# Altium PCB PiMX8MPIO_r0.1.PcbDoc (part 4 of 5)
Units mm, origin at the board's own origin, x right, y up, seen from the top; angles counter-clockwise.
Board outline 55 x 40 mm, 8 copper layers (L1 Top, L2 GND, L3 SIG, L4 GND, L5 (PWR), L6 SIG, L7 GND, L8 SIG), stack 1.624 mm thick; 131 components, 147 nets, 777 pads, 700 vias.
Unrouted connection lines stored in the file: 1.
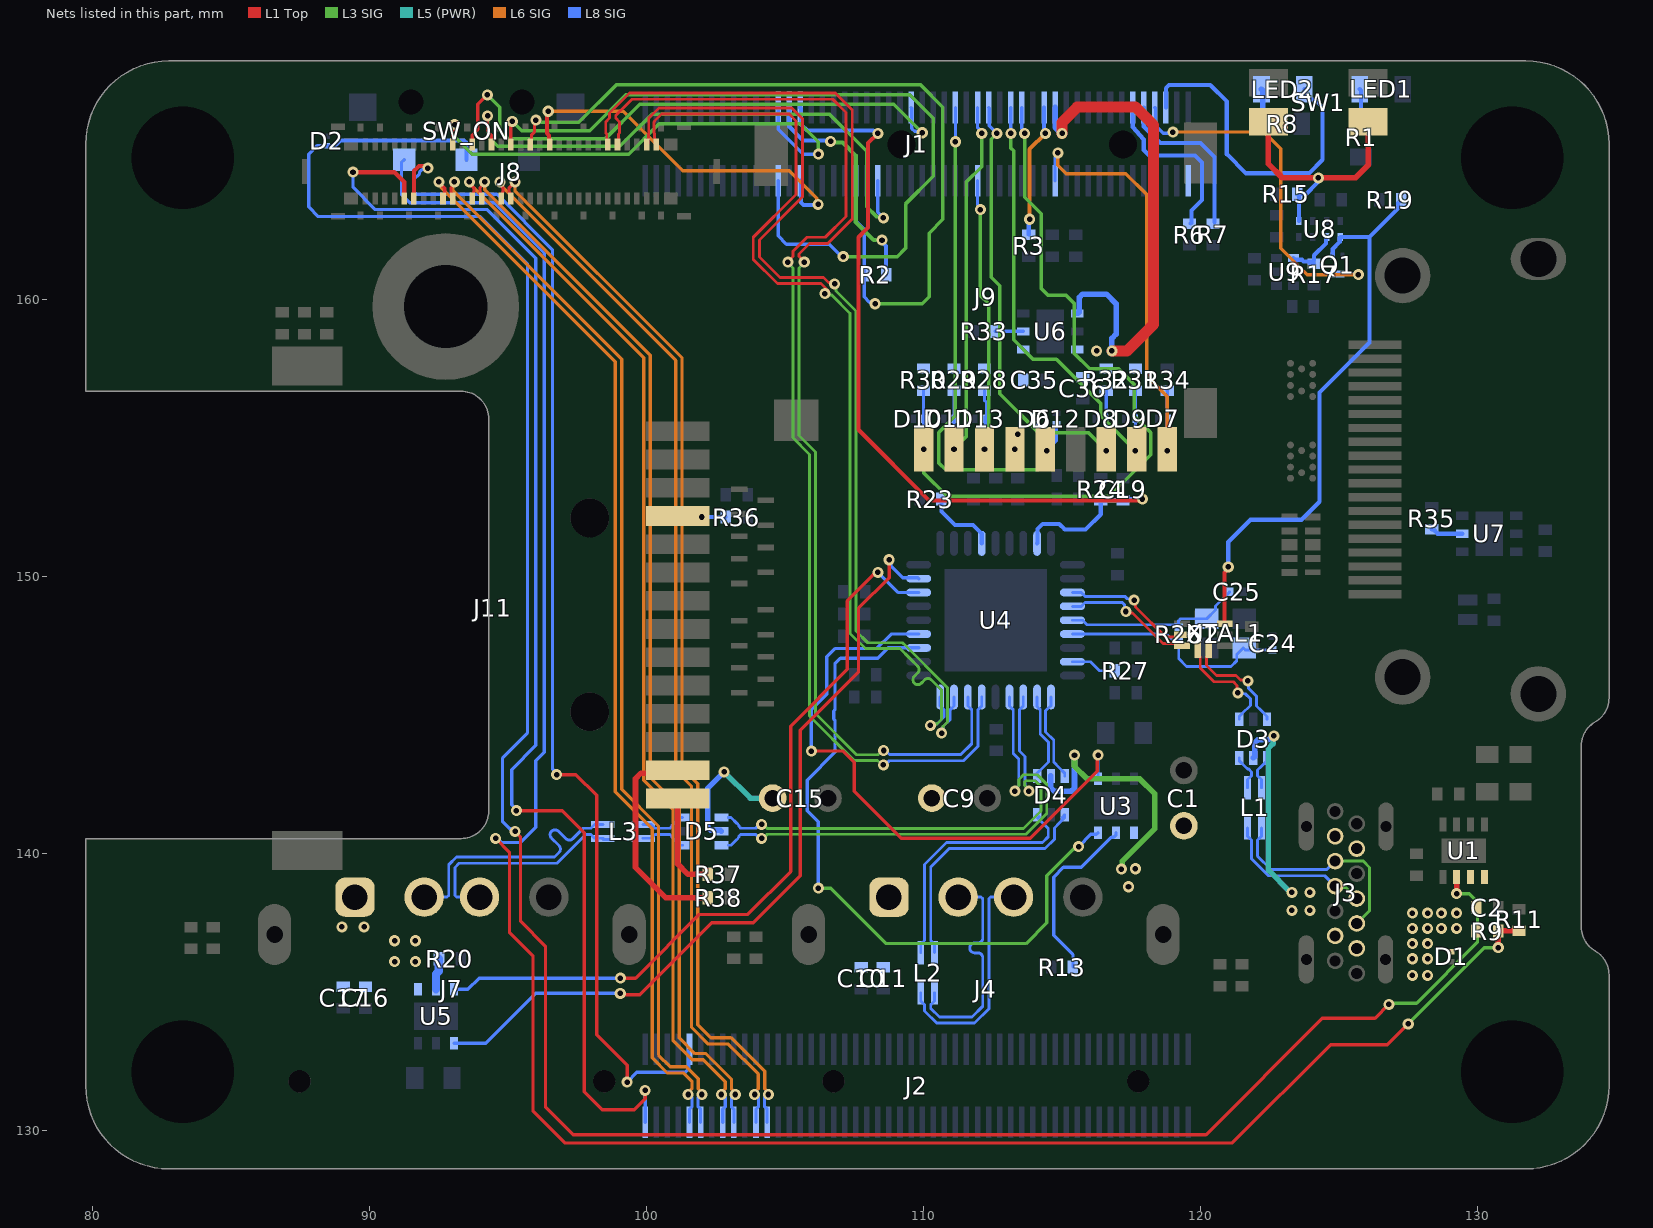
[diagram p10: the nets of this part, all layers, seen from the top]

## Via types
v1: diameter 0.4, hole 0.2, L1 Top to L8 SIG, tented both sides, 700 vias

## Nets (pads, with @x,y where several pads share a name; then routed paths per layer and width w, separated by ;. In a path a pad name is that pad's centre, name@x,y a point inside that pad or via, vN(x,y) a via of type N, cw(c..) or ccw(c..) an arc to the next point about the centre after c; other vN are vias at no path point) (continued)
NetD2_1: D2.1 SW_ON.2 U1.2 | length 88.6
  L1 Top w0.12: v1(95.25,140.796) 95.25,140.786 95.45,140.586 95.45,137.546 96.35,136.646 96.35,130.846 97.35,129.846 120.2,129.846 124.4,134.046 126.3,134.046 v1(126.8,134.546)
  L1 Top w0.2: v1(129.25,138.546) U1.2@129.25,139.146
  L3 SIG w0.12: v1(126.8,134.546) 126.85,134.596 127.8,134.596 130,136.796 130,138.246 129.7,138.546 v1(129.25,138.546)
  L8 SIG w0.12: D2.1@88.45,165.546 88.1,165.546 87.8,165.246 87.8,163.346 88.15,162.996 94,162.996 95.7,161.296 95.7,144.346 94.8,143.446 94.8,141.146 95.051,140.895 95.076,140.895 95.174,140.796 v1(95.25,140.796)
  L8 SIG w0.15: D2.1@88.45,165.546 88.75,165.546 88.95,165.746 93.412,165.746 93.5,165.659 SW_ON.2@93.5,165.046
NetJ1_89: J1.89 R6.2 | length 6.3
  L8 SIG w0.15: J1.89@117.55,166.932 117.551,166.437 117.551,166.223 117.95,165.779 117.95,165.396 118.15,165.196 119.8,165.196 120.05,164.946 120.05,163.596 119.672,163.219 119.672,162.764 R6.2@119.65,162.741
NetJ1_91: J1.91 R7.2 | length 6
  L8 SIG w0.15: J1.91@117.95,166.932 117.951,166.931 117.951,166.245 118.55,165.646 120,165.646 120.5,165.146 R7.2@120.5,162.791
NetJ11_1: J11.1 R37.1 | length 4.4
  L1 Top w0.2: J11.1@101.8,141.727 101.545,141.982 J11.1@101.13,141.982 101.1,141.952 101.1,139.646 101.5,139.246 R37.1@102.205,139.246
NetJ11_2: J11.2 R38.1 | length 7.9
  L1 Top w0.2: J11.2@101.13,143.002 101.026,142.899 99.802,142.899 99.6,142.696 99.6,139.496 100.7,138.396 R38.1@102.205,138.396
NetJ11_11: J11.11 R36.1 | length 0.9
  L8 SIG w0.15: v1(102,152.146) R36.1@102.855,152.146
NetLED1_2: LED1.2 R1.2 | length 1.2
  L8 SIG w0.15: LED1.2@125.75,167.596 125.8,167.546 R1.2@125.8,166.396
NetLED2_2: LED2.2 R8.2 | length 1.1
  L8 SIG w0.2: LED2.2@122.2,167.596 122.25,167.546 R8.2@122.25,166.496
NetR9_1: R9.1 R11.2 SW_ON.1 | length 80
  L1 Top w0.12: v1(94.55,140.546) 95.05,140.046 95.05,137.146 95.9,136.296 95.9,130.696 97.05,129.546 121.15,129.546 124.7,133.096 126.75,133.096 v1(127.5,133.846)
  L1 Top w0.2: v1@130.75,136.646 130.745,136.651 R9.1@130.745,137.196 130.75,137.201 R11.2@131.5,137.201
  L3 SIG w0.12: v1(94.55,140.546) v1@94.55,140.622 ; v1(127.5,133.846) 130.25,136.596 v1(130.75,136.596)
  L8 SIG w0.12: SW_ON.1@91.25,165.046 91.15,164.946 91.15,163.796 91.45,163.496 94.5,163.496 96.3,161.696 96.3,143.646 96,143.346 96,140.946 95.45,140.396 94.76,140.396 94.61,140.546 v1(94.55,140.546)
NetR13_2: R13.2 U3.2 | length 6.5
  L8 SIG w0.12: R13.2@115.395,135.896 115.395,136.351 114.7,137.046 114.7,139.146 115.05,139.496 115.7,139.496 116.785,140.581 116.86,140.581 116.95,140.671 U3.2@116.95,140.746
NetR17_2: R17.2 U8.6 U9.4 | length 2
  L8 SIG w0.15: U9.4@123.35,161.496 123.409,161.437 123.659,161.437 123.722,161.374 124.078,161.374 124.1,161.396 124.1,161.596 124.525,162.021 124.525,162.231 U8.6@124.55,162.256 ; R17.2@123.955,161.296 R17.2@124.1,161.296
NetR20_2: R20.2 U5.2 | length 1.1
  L8 SIG w0.3: U5.2@92.4,135.096 92.4,135.646 92.494,135.741 92.494,136.186 R20.2@92.505,136.196
NetR33_2: R33.2 U6.2 | length 1
  L8 SIG w0.123: R33.2@112.595,158.846 U6.2@113.6,158.846
NetR35_2: R35.2 U7.2 | length 1.2
  L8 SIG w0.158: R35.2@128.35,151.701 128.4,151.701 128.555,151.546 U7.2@129.45,151.546
nEXTRST: J1.100
PCIE_CLK_N: J2.12 J8.43 | length 38.7
  L1 Top w0.114: J8.43@93,163.646 92.957,163.689 92.957,163.861 92.937,163.881 92.937,164.046 93.06,164.169 v1(93.06,164.246)
  L6 SIG w0.118: v1@93.06,164.247 93.008,164.194 93.008,163.938 99.1,157.846 99.1,144.546 99.1,142.596 99.1,142.319 100.428,140.991 100.428,132.718 100.85,132.296 101.433,132.296 101.864,131.865 101.864,131.507 102,131.371 v1(102,131.296)
  L8 SIG w0.114: v1@101.862,131.196 101.862,130.85 101.95,130.762 J2.12@101.95,130.292
PCIE_CLK_P: J2.10 J8.45 | length 38.8
  L1 Top w0.114: v1(92.5,164.246) 92.5,164.231 92.713,164.018 92.713,163.881 92.693,163.861 92.693,163.689 J8.45@92.65,163.646
  L6 SIG w0.118: v1(92.5,164.246) 92.5,164.17 92.587,164.083 92.587,164.037 98.872,157.752 98.872,142.224 100.2,140.896 100.2,132.624 100.756,132.068 101.339,132.068 101.636,131.771 101.636,131.507 101.5,131.371 v1(101.5,131.296)
  L8 SIG w0.114: J2.10@101.55,130.292 101.55,130.762 101.638,130.85 v1@101.638,131.196
PCIe_CLK_REQ: J2.2 J8.53 | length 47.4
  L1 Top w0.12: v1(95.3,141.546) 96.95,141.546 97.75,140.746 97.75,131.396 98.4,130.746 99.55,130.746 99.95,131.146 v1(99.95,131.446)
  L1 Top w0.15: v1(89.4,164.596) 90.89,164.596 91.25,164.236 J8.53@91.25,163.646
  L3 SIG w0.12: v1(95.3,141.546) v1@95.3,141.607
  L8 SIG w0.12: v1(89.4,164.596) 89.4,164.046 90.2,163.246 94.25,163.246 96,161.496 96,143.899 95.128,143.027 95.128,141.757 95.293,141.592 v1@95.293,141.554 ; J2.2@99.95,130.292 v1(99.95,131.446)
PCIE_nRST: J2.9 J8.51 | length 43.3
  L1 Top w0.12: v1(96.75,142.846) 97.45,142.846 98.2,142.096 98.2,133.446 99.3,132.346 v1(99.3,131.746)
  L1 Top w0.15: J8.51@91.6,163.646 91.6,164.646 91.78,164.826 v1@92.081,164.826
  L8 SIG w0.12: v1(92.101,164.746) 92.047,164.693 91.889,164.693 91.803,164.606 91.803,164.549 91.6,164.346 91.6,163.896 91.7,163.796 94.6,163.796 96.6,161.796 96.6,143.057 96.75,142.907 v1(96.75,142.846) ; v1(99.3,131.746) 99.65,132.096 101.4,132.096 101.526,132.222 101.526,132.908 J2.9@101.55,132.932
PCIE_RX_N: J2.18 J8.37 | length 38.6
  L1 Top w0.114: J8.37@94.05,163.646 94.007,163.689 94.007,163.861 93.987,163.881 93.987,164.037 94.15,164.2 v1(94.15,164.246)
  L6 SIG w0.118: v1(94.15,164.246) 94.161,164.235 94.161,163.96 100.128,157.994 100.128,142.741 101.178,141.691 101.178,133.341 101.744,132.774 102.144,132.774 103.064,131.855 103.064,131.507 103.2,131.371 v1(103.2,131.296)
  L8 SIG w0.114: v1@103.062,131.196 103.062,130.85 103.15,130.762 J2.18@103.15,130.292
PCIE_RX_P: J2.16 J8.39 | length 38.7
  L1 Top w0.114: v1(93.6,164.246) 93.6,164.2 93.763,164.037 93.763,163.881 93.743,163.861 93.743,163.689 J8.39@93.7,163.646
  L6 SIG w0.118: v1(93.6,164.246) 93.6,164.199 99.9,157.899 99.9,142.646 100.95,141.596 100.95,133.246 101.65,132.546 102.05,132.546 102.836,131.76 102.836,131.507 102.7,131.371 v1(102.7,131.296)
  L8 SIG w0.114: J2.16@102.75,130.292 102.75,130.762 102.838,130.85 v1@102.838,131.196
PCIEC_TX_N: J2.24 J8.31 | length 38.8
  L1 Top w0.114: J8.31@95.1,163.646 95.057,163.689 95.057,163.861 95.037,163.881 95.037,164.037 95.247,164.246 v1(95.25,164.246)
  L6 SIG w0.118: v1@95.25,164.196 95.248,164.195 95.248,163.924 101.278,157.894 101.278,143.091 101.85,142.519 101.85,133.819 102.323,133.346 103.05,133.346 104.264,132.132 104.264,131.507 104.4,131.371 v1(104.4,131.296)
  L8 SIG w0.114: v1@104.262,131.196 104.262,130.85 104.35,130.762 J2.24@104.35,130.292
PCIEC_TX_P: J2.22 J8.33 | length 38.8
  L1 Top w0.114: v1(94.702,164.246) 94.702,164.169 94.813,164.058 94.813,163.881 94.793,163.861 94.793,163.689 J8.33@94.75,163.646
  L6 SIG w0.118: v1@94.702,164.148 94.724,164.148 94.801,164.071 94.801,164.049 101.05,157.8 101.05,142.996 101.622,142.424 101.622,133.724 102.228,133.118 102.956,133.118 104.036,132.038 104.036,131.507 103.9,131.371 v1(103.9,131.296)
  L8 SIG w0.114: J2.22@103.95,130.292 103.95,130.762 104.038,130.85 v1@104.038,131.196
PCM_BLCK: J1.27 R2.2 | length 8.4
  L3 SIG w0.15: v1(106.644,165.711) 106.691,165.663 107.084,165.663 107.55,165.196 107.55,162.796 108.199,162.147 v1(108.5,162.146)
  L8 SIG w0.15: J1.27@105.15,166.932 105.151,166.931 105.151,166.245 105.65,165.746 v1@106.575,165.746 ; v1@108.495,162.151 v1(108.5,162.146) 108.5,162.079 108.645,161.934 R2.2@108.645,160.896
PCM_MCLK: J1.40 J8.28 R2.1 | length 30.5
  L1 Top w0.118: J8.28@95.8,165.596 95.841,165.637 95.841,165.937 95.95,166.046 95.95,166.422 v1(96.004,166.476)
  L3 SIG w0.126: v1(96.004,166.476) 96.056,166.423 96.188,166.423 96.215,166.396 97.55,166.396 98.9,167.746 109.9,167.746 110.7,166.946 110.7,162.896 110.2,162.396 110.2,160.096 109.95,159.846 v1(108.25,159.846)
  L8 SIG w0.118: J1.40@107.55,164.292 107.55,162.846 107.855,162.541 R2.1@107.855,160.896 107.855,160.091 108.046,159.9 108.196,159.9 v1(108.25,159.846)
PCM_RX_IN: J1.26 J8.32 | length 29.2
  L1 Top w0.118: J8.32@95.1,165.596 95.1,166.381 v1(95.151,166.432)
  L3 SIG w0.126: v1(95.151,166.432) 95.487,166.096 97.95,166.096 99.25,167.396 109.5,167.396 110.35,166.546 110.35,164.446 109.35,163.446 109.35,161.846 109.05,161.546 v1(107.1,161.546)
  L8 SIG w0.118: J1.26@104.75,164.292 104.75,162.296 105.05,161.996 106.6,161.996 107.05,161.546 v1(107.1,161.546)
PCM_RX_SYNC: J1.25 J8.44 | length 18.4
  L1 Top w0.118: J8.44@93,165.596 93,166.17 93.067,166.237 v1(93.067,166.313)
  L3 SIG w0.126: v1(93.067,166.313) 93.067,165.879 93.7,165.246 99.35,165.246 100.45,166.346 105.55,166.346 106.2,165.696 v1(106.2,165.246)
  L8 SIG w0.118: J1.25@104.75,166.932 104.75,166.146 105.65,165.246 v1(106.2,165.246)
PCM_TX_OUT: J1.44 J8.36 | length 20.9
  L1 Top w0.118: v1(94.258,166.628) 94.258,166.067 94.396,165.93 94.396,165.601 J8.36@94.4,165.596
  L3 SIG w0.126: v1(94.258,166.628) 94.258,165.888 94.619,165.527 99.031,165.527 100.2,166.696 106.6,166.696 107.95,165.346 107.95,163.346 108.301,162.995 108.501,162.995 v1(108.55,162.946)
  L8 SIG w0.118: J1.44@108.35,164.292 108.35,163.157 108.55,162.957 v1(108.55,162.946)
PCM_TX_SYNC: J1.49 J8.40 | length 21
  L1 Top w0.118: J8.40@93.7,165.596 93.704,165.601 93.704,165.93 93.909,166.134 93.909,167.045 v1(94.25,167.386)
  L3 SIG w0.126: v1(94.25,167.386) 94.7,166.936 94.7,166.096 95,165.796 98.5,165.796 99.75,167.046 108.927,167.046 v1(109.953,166.02)
  L8 SIG w0.118: J1.49@109.55,166.932 109.574,166.908 109.574,166.172 109.673,166.074 109.9,166.074 v1(109.953,166.02)
POWER_nLED_EXT: J1.95 LED2.1 | length 12
  L8 SIG w0.15: J1.95@118.75,166.932 118.75,167.629 118.867,167.746 120.35,167.746 120.95,167.146 120.95,165.246 121.64,164.556 123.91,164.556 124.4,165.046 124.4,166.946 124.125,167.221 123.95,167.221 123.75,167.421 LED2.1@123.75,167.596
SD_CD: D7.1 J1.76 J9.9 R34.1 | length 16.8
  L6 SIG w0.126: v1(114.85,165.296) 114.85,164.846 115.15,164.546 117.3,164.546 118.05,163.796 118.05,157.246 118.8,156.496 v1(118.8,154.546)
  L8 SIG w0.118: J1.76@114.75,164.292 114.75,165.12 114.85,165.22 v1(114.85,165.296) ; v1@118.8,154.596 R34.1@118.8,156.701
SD_CLK: D12.1 J1.57 J9.5 | length 18.7
  L3 SIG w0.126: v1(111.15,165.696) 111.15,155.796 110.55,155.196 110.55,154.096 110.8,153.846 114.15,153.846 114.45,154.146 v1(114.45,154.546)
  L8 SIG w0.118: v1(111.15,165.696) J1.57@111.15,166.932 ; v1(114.45,154.546) 114.8,154.896 D12.1@114.8,155.506
SD_CMD: D13.1 J1.62 J9.3 R28.1 | length 12.1
  L3 SIG w0.126: v1(112.05,163.246) 112.05,160.146 112.35,159.846 112.35,155.246 112.2,155.096 v1(112.2,154.596)
  L8 SIG w0.118: J1.62@111.95,164.292 111.95,163.423 112.05,163.323 v1(112.05,163.246) ; v1(112.2,154.596) 112.23,154.626 D13.1@112.23,155.696 112.23,155.746 112.273,155.789 112.273,156.291 112.2,156.364 R28.1@112.2,156.701
SD_DATA0: D8.1 J1.63 J9.7 R32.1 | length 17.5
  L3 SIG w0.126: v1(112.65,165.996) 112.65,165.986 112.45,165.786 112.45,160.796 112.75,160.496 112.75,156.596 114.15,155.196 115.95,155.196 v1(116.6,154.546)
  L8 SIG w0.118: J1.63@112.35,166.932 112.374,166.908 112.374,166.272 v1(112.65,165.996) ; v1(116.6,154.546) R32.1@116.6,156.701
SD_DATA1: D9.1 J1.67 J9.8 R31.1 | length 16.9
  L3 SIG w0.126: v1(113.15,165.996) 113.15,165.469 113.25,165.369 113.25,158.546 113.95,157.846 114.8,157.846 116.4,156.246 116.4,155.796 v1(117.65,154.546)
  L8 SIG w0.118: v1(113.15,165.996) J1.67@113.15,166.932 ; v1(117.65,154.546) D9.1@117.65,155.696 R31.1@117.65,156.701
SD_DATA2: D10.1 J1.69 J9.1 R30.1 | length 27.6
  L3 SIG w0.126: v1(110,154.596) 110,153.746 110.85,152.896 116.7,152.896 118.2,154.396 118.2,155.196 117.6,155.796 117.6,156.946 117.05,157.496 116,157.496 115.45,158.046 115.45,159.846 115.15,160.146 114.5,160.146 114.25,160.396 114.25,163.096 113.65,163.696 v1(113.65,165.996)
  L8 SIG w0.118: v1(110,154.596) D10.1@110,155.696 R30.1@110,156.701 ; J1.69@113.55,166.932 113.55,166.173 113.65,166.073 v1(113.65,165.996)
SD_DATA3: D11.1 J1.61 J9.2 R29.1 | length 14.9
  L3 SIG w0.126: v1(111.1,154.596) 111.1,154.611 111.55,155.061 111.55,164.246 112.1,164.796 v1(112.1,165.996)
  L8 SIG w0.118: v1(111.1,154.596) D11.1@111.1,155.696 R29.1@111.1,156.701 ; J1.61@111.95,166.932 111.95,166.196 112.1,166.046 v1(112.1,165.996)
SD_POWER: C36.1 J1.75 R28.2 R29.2 R30.2 R31.2 R32.2 U6.4 U6.6 | length 18.3
  L1 Top w0.4: v1(115,165.996) 115,166.396 115.55,166.946 117.65,166.946 118.3,166.296 118.3,159.096 117.35,158.146 v1(116.8,158.146)
  L8 SIG w0.2: J1.75@114.75,166.932 114.75,166.214 114.967,165.996 v1(115,165.996) ; U6.4@115.55,159.496 115.575,159.496 115.625,159.546 115.625,160.079 115.742,160.196 116.6,160.196 116.95,159.846 116.95,158.746 116.8,158.596 v1(116.8,158.146)
  other v1: 116.25,158.146
SD_VCC: C35.1 D6.1 J9.4 U6.1 | length 0
  L8 SIG w0.123: D6.1@113.994,155.468 D6.1@114,155.474
  other v1: 113.3,154.596 113.396,155.132
SD_VDD_Override: J1.73 R3.2 | length 4.9
  L6 SIG w0.15: v1(113.831,162.896) 113.831,165.427 v1(114.4,165.996)
  L8 SIG w0.15: R3.2@113.8,162.341 113.8,162.865 v1(113.831,162.896) ; J1.73@114.35,166.932 114.35,166.114 114.4,166.064 v1(114.4,165.996)
SMBDATA: R23.2 U4.22 | length 2.6
  L8 SIG w0.15: R23.2@110.645,152.796 110.645,152.351 111.134,151.863 111.784,151.863 112.035,151.611 112.035,151.607 112.1,151.542 U4.22@112.1,151.196
SW_UBOOT: R15.2 SW1.1 U8.1 | length 9
  L1 Top w0.2: SW1.1@122.45,166.42 122.45,164.896 122.95,164.396 v1@124.25,164.396 ; v1(124.258,164.388) v1@124.25,164.396 ; SW1.1@126.05,166.42 126.05,164.846 125.6,164.396 v1@124.25,164.396
  L8 SIG w0.15: R15.2@123.495,163.796 123.517,163.819 123.822,163.819 124.21,164.207 124.21,164.34 v1(124.258,164.388) ; U8.1@123.55,162.836 R15.2@123.55,163.696
UART_nWAKE: J1.30 J8.24 | length 14
  L1 Top w0.15: v1(96.45,166.796) 96.45,166.729 96.4,166.679 96.4,166.003 96.482,165.921 96.482,165.615 J8.24@96.5,165.596
  L6 SIG w0.12: v1(96.45,166.796) 99.15,166.796 101.3,164.646 105.15,164.646 106.139,163.657 106.139,163.489 v1(106.193,163.436)
  L8 SIG w0.15: J1.30@105.55,164.292 105.575,164.267 105.575,163.501 105.663,163.413 106.17,163.413 v1(106.193,163.436)
USB-BOOT_MODE: J1.93 Q1.3 | length 13.1
  L6 SIG w0.123: v1(119,166.046) 122.3,166.046 122.9,165.446 122.9,161.846 123.85,160.896 v1(125.7,160.896)
  L8 SIG w0.123: J1.93@118.35,166.932 118.374,166.908 118.374,166.272 118.65,165.996 118.95,165.996 v1(119,166.046) ; Q1.3@124.95,160.921 125.675,160.921 v1(125.7,160.896)
USB_DS1_CON_N: J4.2 L2.1 | length 8.2
  L8 SIG w0.103: L2.1@110.4,134.971 110.4,134.671 110.327,134.598 110.322,134.598 110.262,134.538 110.262,134.405 110.57,134.096 111.75,134.096 112.138,134.485 112.138,135.846 112.138,136.234 ccw(c111.962,136.234) 111.962,136.411 111.843,136.411 cw(c111.843,136.588) 111.843,136.765 111.962,136.765 ccw(c111.962,136.941) 112.138,136.941 112.138,137.346 112.138,138.362 112.078,138.422 J4.2@111.25,138.422
USB_DS1_CON_P: J4.3 L2.4 | length 8.3
  L8 SIG w0.103: L2.4@109.9,134.971 109.9,134.671 109.973,134.598 109.978,134.598 110.038,134.538 110.038,134.312 110.477,133.873 111.843,133.873 112.362,134.392 112.362,138.362 112.422,138.422 J4.3@113.25,138.422
USB_DS1_ESD_N: D4.1 L2.2 | length 9.2
  L8 SIG w0.103: L2.2@110.4,136.421 110.4,136.721 110.327,136.795 110.322,136.795 110.262,136.855 110.262,139.508 110.927,140.173 114.387,140.173 114.723,140.51 114.723,140.919 114.892,141.088 115.1,141.296 D4.1@115.1,141.396 D4.1@115.002,141.298
USB_DS1_ESD_P: D4.3 L2.3 | length 9.2
  L8 SIG w0.103: L2.3@109.9,136.421 109.9,136.721 109.973,136.795 109.978,136.795 110.038,136.855 110.038,139.601 110.834,140.396 114.294,140.396 114.5,140.602 114.5,140.896 114.308,141.088 114.1,141.296 D4.3@114.1,141.396 D4.3@114.198,141.298
USB_DS1_N: D4.6 U4.1 | length 3.2
  L8 SIG w0.103: U4.1@114.6,145.646 114.6,145.326 114.585,145.326 114.408,145.149 114.408,144.388 114.7,144.096 114.7,143.297 114.892,143.105 115.1,142.896 D4.6@115.1,142.796
USB_DS1_P: D4.4 U4.2 | length 3.2
  L8 SIG w0.103: D4.4@114.1,142.796 114.1,142.896 114.308,143.105 114.507,143.303 114.507,144.016 114.215,144.308 114.215,145.188 114.1,145.303 U4.2@114.1,145.646
USB_DS1_POWER_EN: U3.3 U4.12 | length 25.6
  L3 SIG w0.12: v1(106.2,138.746) 106.65,138.746 108.65,136.746 113.7,136.746 114.45,137.496 114.45,139.196 115.401,140.148 115.426,140.148 115.524,140.246 v1(115.6,140.246)
  L8 SIG w0.12: v1(106.2,138.746) 106.2,141.146 105.8,141.546 105.8,142.646 106.8,143.646 106.8,144.808 106.757,144.851 106.757,145.141 106.8,145.185 106.8,146.846 107,147.046 108.35,147.046 108.725,147.421 U4.12@109.825,147.421 ; v1(115.6,140.246) 116.04,140.687 116.24,140.687 U3.3@116.3,140.746
USB_DS1_POWER_OC: U3.4 U4.13 | length 22
  L1 Top w0.12: v1(105.95,143.696) 107.1,143.696 107.5,143.296 107.5,142.246 109.2,140.546 113.85,140.546 116.276,142.973 116.276,143.523 v1(116.3,143.546)
  L8 SIG w0.12: v1(105.95,143.696) 105.95,145.196 106.5,145.746 106.5,147.096 106.8,147.396 108.3,147.396 108.825,147.921 U4.13@109.825,147.921 ; U3.4@116.3,142.696 v1(116.3,143.546)
USB_DS2_CON_N: J7.2 L3.4 | length 9.4
  L8 SIG w0.103: J7.2@91.97,138.422 92.798,138.422 92.858,138.483 92.858,139.218 92.858,139.589 93.139,139.87 96.673,139.87 96.8,139.996 96.837,140.033 ccw(c96.712,140.158) 96.837,140.283 96.569,140.55 cw(c96.694,140.675) 96.569,140.8 cw(c96.694,140.675) 96.819,140.8 97.086,140.533 ccw(c97.211,140.658) 97.336,140.533 97.675,140.871 97.712,140.908 97.991,140.908 98.052,140.969 98.052,140.973 98.125,141.046 L3.4@98.425,141.046
USB_DS2_CON_P: J7.3 L3.1 | length 8.1
  L8 SIG w0.103: J7.3@93.97,138.422 93.142,138.422 93.082,138.483 93.082,139.311 93.082,139.496 93.232,139.646 96.766,139.646 97.804,140.685 97.991,140.685 98.052,140.624 98.052,140.62 98.125,140.546 L3.1@98.425,140.546 ; L3.1@98.425,140.496 L3.1@98.675,140.496
USB_DS2_ESD_N: D5.3 L3.3 | length 1.7
  L8 SIG w0.103: L3.3@99.875,141.046 100.175,141.046 100.248,140.973 100.248,140.969 100.309,140.908 100.848,140.908 100.908,140.969 100.908,141.005 100.991,141.088 101.2,141.296 D5.3@101.3,141.296
USB_DS2_ESD_P: D5.1 L3.2 | length 1.7
  L8 SIG w0.103: L3.2@99.875,140.546 100.175,140.546 100.248,140.62 100.248,140.624 100.309,140.685 100.848,140.685 100.908,140.624 100.908,140.588 100.991,140.505 101.2,140.296 D5.1@101.3,140.296
USB_DS2_N: D5.4 U4.3 | length 17.4
  L3 SIG w0.102: v1(104.15,141.046) 104.215,141.046 104.359,140.903 113.606,140.903 114.238,141.534 114.238,142.408 114.019,142.627 113.702,142.627 113.656,142.581 113.656,142.455 113.8,142.311 v1(113.8,142.246)
  L8 SIG w0.103: 102.95,141.296 103.05,141.296 103.258,141.088 103.342,141.005 103.342,140.969 103.402,140.908 103.727,140.908 103.941,140.908 104.079,141.046 v1(104.15,141.046) ; U4.3@113.6,145.646 113.6,145.326 113.462,145.188 113.462,143.701 113.662,143.501 113.662,142.455 113.8,142.317 v1(113.8,142.246)
USB_DS2_P: D5.6 U4.4 | length 18.5
  L3 SIG w0.102: v1(104.15,140.546) 104.215,140.546 104.359,140.69 113.694,140.69 114.45,141.446 114.45,142.496 114.107,142.839 113.614,142.839 113.444,142.669 113.444,142.455 113.3,142.311 v1(113.3,142.246)
  L8 SIG w0.103: 102.95,140.296 103.05,140.296 103.258,140.505 103.342,140.588 103.342,140.624 103.402,140.685 103.634,140.685 103.941,140.685 104.079,140.546 v1(104.15,140.546) ; U4.4@113.1,145.646 113.1,145.326 113.238,145.188 113.238,143.608 113.438,143.408 113.438,142.455 113.3,142.317 v1(113.3,142.246)
USB_DS2_POWER_EN: U4.16 U5.3 | length 27.8
  L1 Top w0.12: v1(99.053,135.498) 99.601,135.498 101.9,137.796 103.65,137.796 105.2,139.346 105.2,144.593 107.25,146.643 107.25,149.115 108.282,150.146 v1(108.35,150.146)
  L8 SIG w0.12: U5.3@93.05,135.096 93.55,135.096 93.951,135.498 v1(99.053,135.498) ; v1(108.35,150.146) 109.075,149.421 U4.16@109.825,149.421
USB_DS2_POWER_OC: U4.17 U5.4 | length 29.2
  L1 Top w0.12: v1(99.05,134.946) 99.1,134.896 99.75,134.896 102.35,137.496 103.85,137.496 105.55,139.196 105.55,144.446 107.65,146.546 107.65,148.846 108.76,149.956 v1(108.76,150.603)
  L8 SIG w0.12: U5.4@93.05,133.146 94.2,133.146 96,134.946 v1(99.05,134.946) ; v1(108.76,150.603) 108.814,150.55 108.814,150.383 109.244,149.952 109.794,149.952 U4.17@109.825,149.921
USB_FPC1_N: J8.10 U4.6 | length 42.2
  L1 Top w0.103: J8.10@98.95,165.596 98.99,165.637 98.99,165.976 99.027,166.013 99.027,166.41 98.887,166.55 98.887,166.641 99.474,167.228 106.719,167.228 107.2,166.746 107.2,162.996 106.45,162.246 105.79,162.246 105.285,161.741 105.285,161.555 105.1,161.371 v1(105.1,161.346)
  L3 SIG w0.102: v1(105.1,161.346) 105.1,161.328 105.29,161.138 105.29,155.006 105.888,154.408 105.888,144.959 106.012,144.834 107.372,143.475 107.496,143.35 108.341,143.35 108.495,143.196 v1(108.55,143.196)
  L8 SIG w0.103: v1(108.55,143.196) 108.611,143.196 108.759,143.345 111.439,143.345 111.962,143.868 111.962,145.188 112.1,145.326 U4.6@112.1,145.646
USB_FPC1_P: J8.12 U4.7 | length 42.2
  L1 Top w0.103: J8.12@98.6,165.596 98.56,165.637 98.56,165.976 98.523,166.013 98.523,166.41 98.663,166.55 98.663,166.733 99.381,167.451 106.811,167.451 107.423,166.839 107.423,162.904 106.543,162.023 105.883,162.023 105.508,161.648 105.508,161.559 105.693,161.374 v1(105.693,161.35)
  L3 SIG w0.102: v1(105.693,161.35) 105.693,161.331 105.503,161.141 105.503,155.094 106.1,154.496 106.1,145.047 107.584,143.563 108.352,143.563 108.506,143.716 v1(108.561,143.716)
  L8 SIG w0.103: v1(108.561,143.716) 108.622,143.716 108.77,143.568 111.346,143.568 111.738,143.96 111.738,145.188 111.6,145.326 U4.7@111.6,145.646
USB_FPC2_N: J8.4 U4.8 | length 35.8
  L1 Top w0.103: J8.4@100,165.596 100.048,165.645 100.048,165.815 100.063,165.83 100.063,165.999 100.077,166.013 100.077,166.552 100.444,166.92 105.243,166.92 105.623,166.539 105.623,163.704 104.073,162.154 104.073,161.539 104.816,160.796 106.387,160.796 106.566,160.617 106.745,160.617 v1@106.808,160.554